# Altium PCB PCB1.PcbDoc (part 3 of 4) (continued)
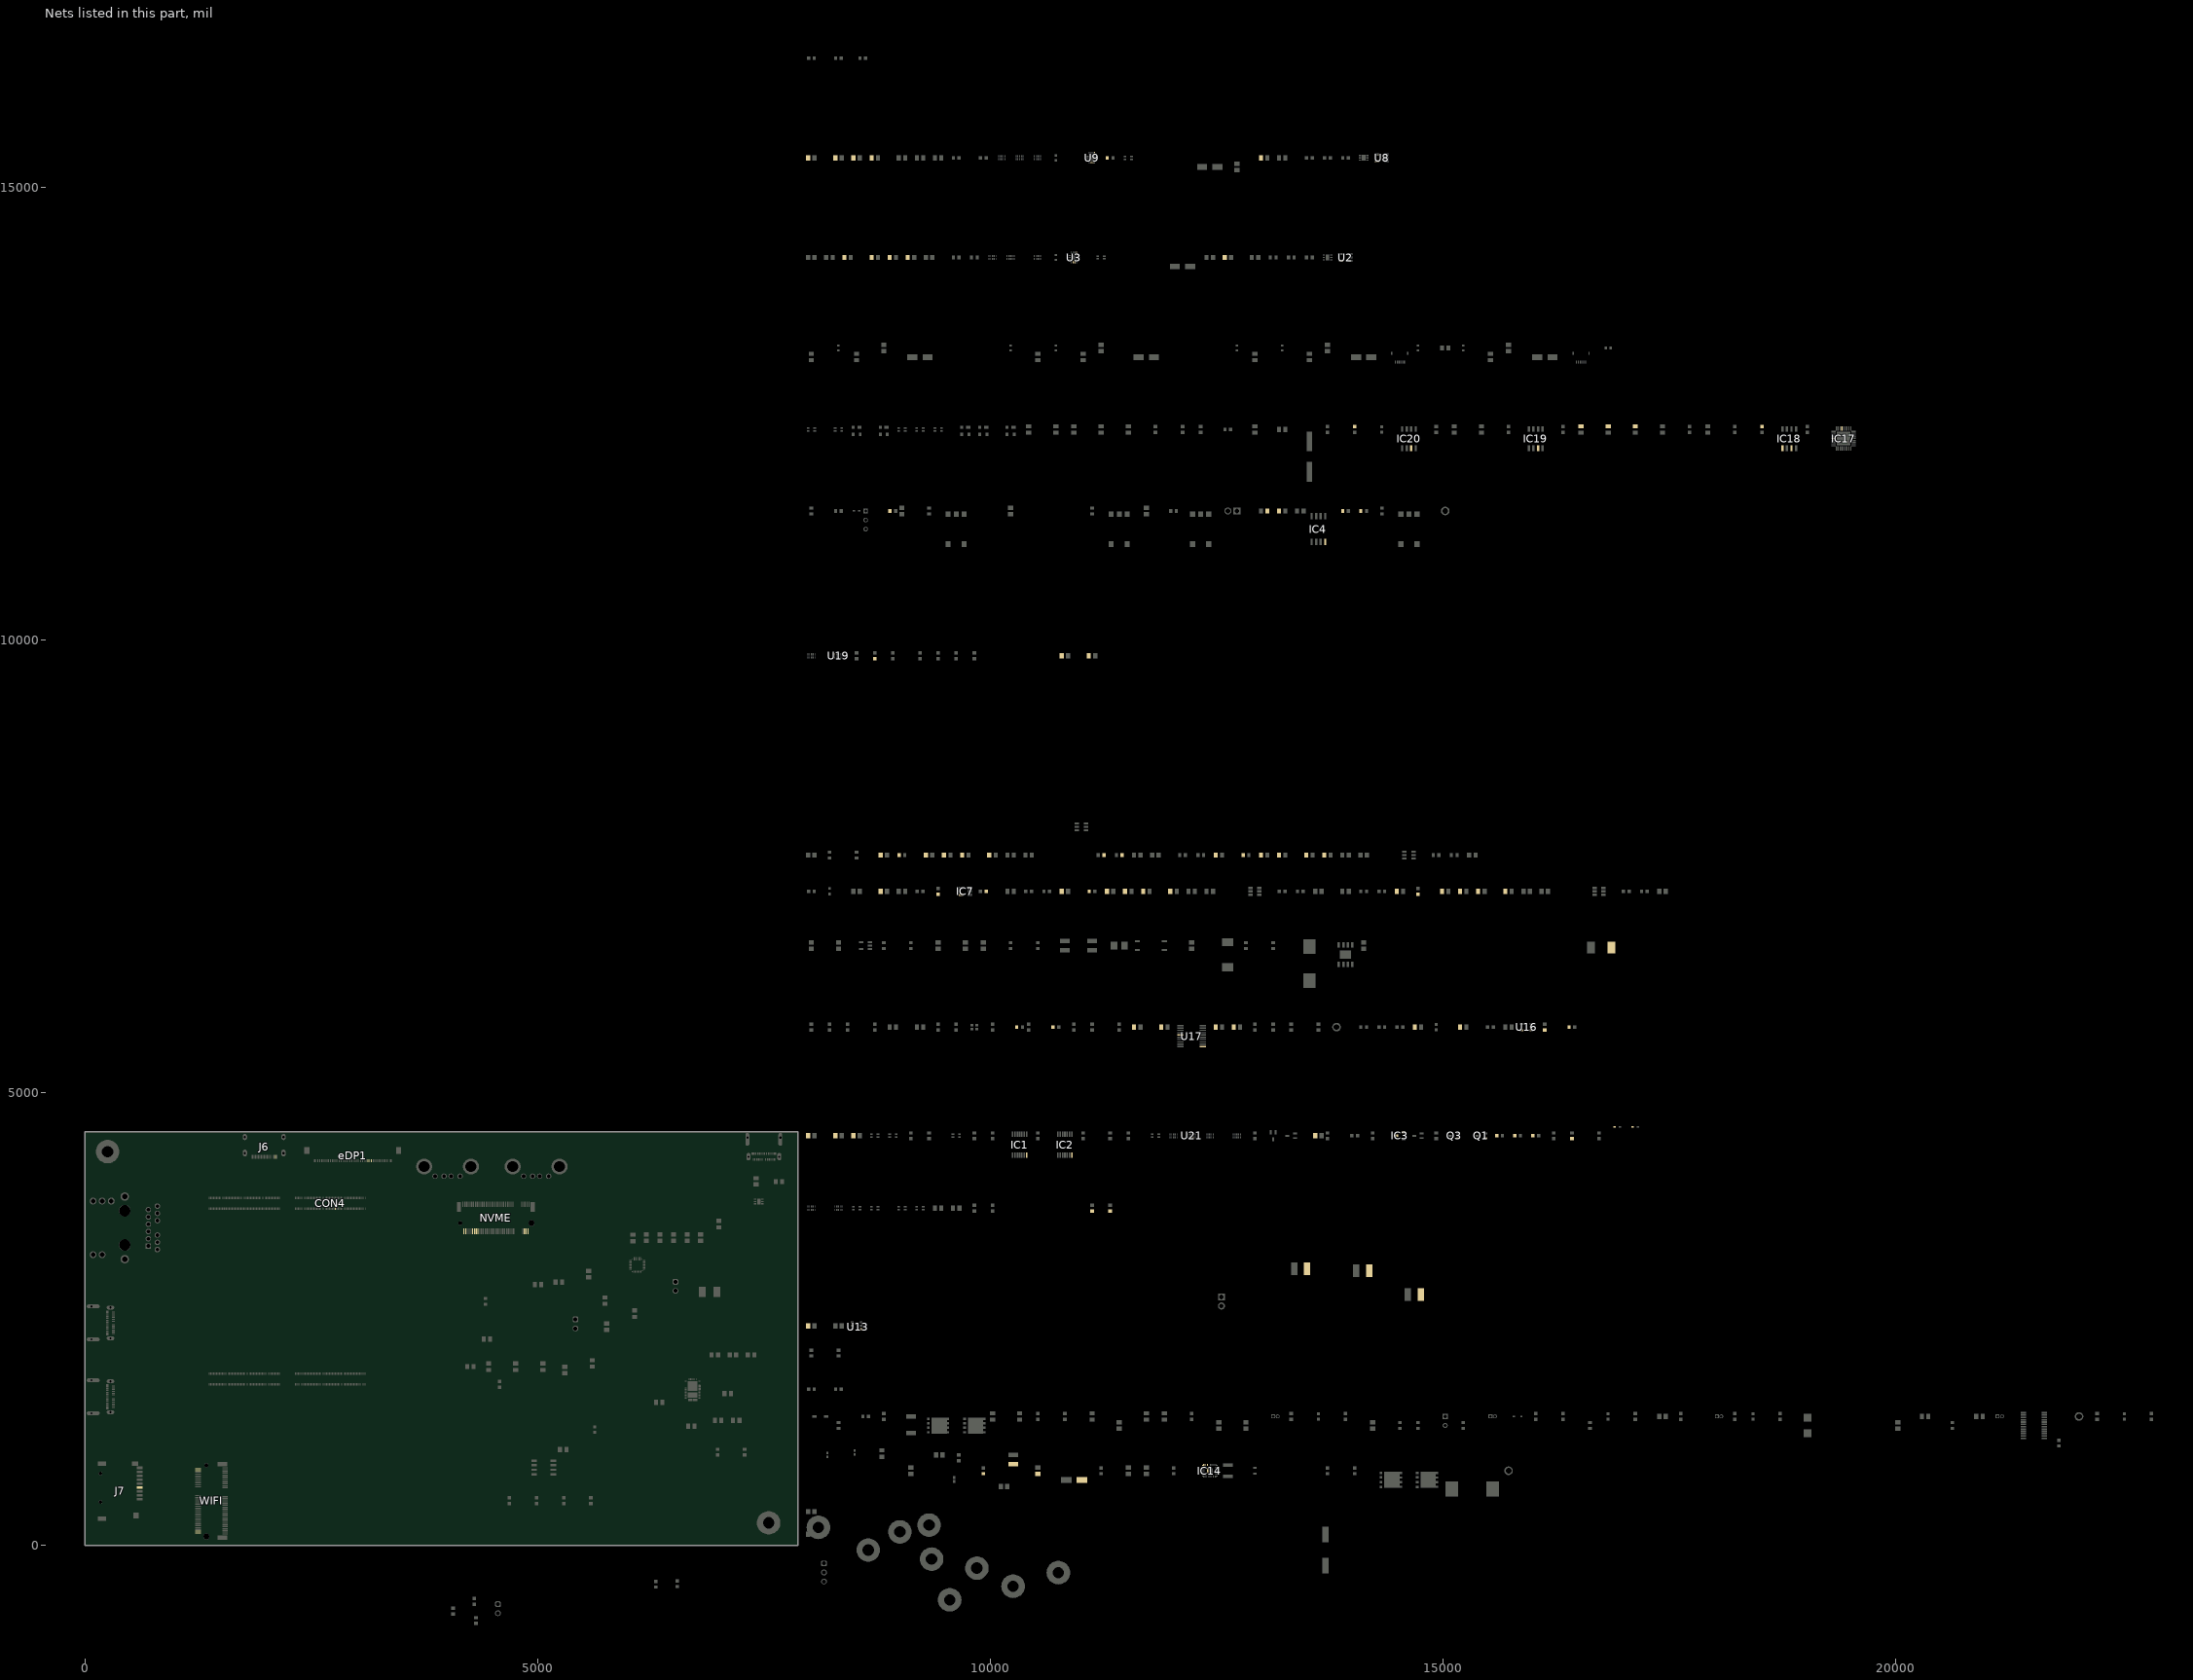
[diagram p10: the nets of this part, all layers, seen from the top]
## Part data (continued)
R145 R146: library part ERJ-3GEYJ1R0V, "1 Ohm 5% 1/10W  Res Thick Film 0603 -100ppm/ to", Case Code (Imperial)=0603, Case Code (Metric)=1608, Manufacturer=Panasonic, Max Operating Temperature=155°C, Max Power Dissipation=100mW, Min Operating Temperature=-55°C, Mouser Part Number=667-ERJ-3GEYJ1R0V, Package Quantity=1, Resistance Tolerance=5%, Resistor Type="Thick Film", Supplier Part Number=P1.0GCT-ND, Temperature Coefficient=600ppm/°C, Voltage Rating=75V, Voltage Rating (DC)=50V, Case/Package=0603, Category="Chip SMD Resistors", ComponentLink1Description=https://datasheet.ciiva.com/11821/0900766b80f806dd-11821429.pdf?src-supplier=Rs, ComponentLink1URL=https://datasheet.ciiva.com/11821/0900766b80f806dd-11821429.pdf?src-supplier=Rs, ComponentLink2Description=https://datasheet.ciiva.com/6138/1678796-6138719.pdf?src-supplier=Farnell, ComponentLink2URL=https://datasheet.ciiva.com/6138/1678796-6138719.pdf?src-supplier=Farnell, ComponentLink3Description=https://datasheet.ciiva.com/43460/1678796-43460648.pdf?src-supplier=Farnell, ComponentLink3URL=https://datasheet.ciiva.com/43460/1678796-43460648.pdf?src-supplier=Farnell, ComponentLink4Description=https://datasheet.ciiva.com/9117/aoa0000ce1-9117101.pdf?src-supplier=Avnet, ComponentLink4URL=https://datasheet.ciiva.com/9117/aoa0000ce1-9117101.pdf?src-supplier=Avnet, ComponentLink5Description=https://datasheet.ciiva.com/27055/1988567-27055708.pdf?src-supplier=Jameco, ComponentLink5URL=https://datasheet.ciiva.com/27055/1988567-27055708.pdf?src-supplier=Jameco, ComponentLink6Description=https://datasheet.ciiva.com/30244/4aoa0000ce1-30244602.pdf?src-supplier=Onlinecomponents.com, ComponentLink6URL=https://datasheet.ciiva.com/30244/4aoa0000ce1-30244602.pdf?src-supplier=Onlinecomponents.com, ComponentLink7Description=https://datasheet.ciiva.com/28547/1678796-28547208.pdf?src-supplier=Element14, ComponentLink7URL=https://datasheet.ciiva.com/28547/1678796-28547208.pdf?src-supplier=Element14, ComponentLink8Description=https://datasheet.ciiva.com/28691/1678796-28691949.pdf?src-supplier=Element14, ComponentLink8URL=https://datasheet.ciiva.com/28691/1678796-28691949.pdf?src-supplier=Element14, ComponentLink9Description=https://datasheet.ciiva.com/16761/70255313-16761183.pdf?src-supplier=Allied+Electronics, ComponentLink9URL=https://datasheet.ciiva.com/16761/70255313-16761183.pdf?src-supplier=Allied+Electronics, ComponentLink10Description=https://datasheet.ciiva.com/16784/70255313-16784679.pdf?src-supplier=Allied+Electronics, ComponentLink10URL=https://datasheet.ciiva.com/16784/70255313-16784679.pdf?src-supplier=Allied+Electronics, Construction=Rectangular, Contact Plating=Tin, Datasheet Link=http://docs-europe.electrocomponents.com/webdocs/13ba/0900766b813ba21b.pdf, Depth=0.8mm, Features="Automotive AEC-Q200", Height=0.55mm, Lead Free="Lead Free", Length=1.6mm, Manufacturer Part Number=ERJ-3GEYJ1R0V, Manufacturer_Name=Panasonic, Manufacturer_Part_Number=ERJ-3GEYJ1R0V, Military Standard=Not, Mounting Technology="Surface Mount", Mouser Price/Stock=https://www.mouser.co.uk/ProductDetail/Panasonic/ERJ-3GEYJ1R0V?qs=iBwFsHVUAOehrcsQVhVEKg%3D%3D, Number of Terminations=2, Packaging="Tape and Reel", Power Rating=100mW, Pricing="1=0.1, 10=0.033, 50=0.02, 100=0.0165, 500=0.01096, 1000=0.00939 (USD)", Radiation Hardening=No, Reach SVHC Compliant=No, RoHS=Yes, RoHS Compliant=Yes, Series=ERJ, Stock=374695, Supplier=Digikey, Technology="THICK FILM", Termination=SMD/SMT, Tolerance=5%, Width=0.8mm
R149: library part RT0603BRD0710K4L, "10.4kOhm 0.1% High Precision-High Stability Chip Resistor Thin Film 0603  Paper T/R", Case/Package=0603, Manufacturer=Yageo, Max Operating Temperature=155°C, Max Power Dissipation=100mW, Min Operating Temperature=-55°C, Package=None, Supplier Part Number=13-RT0603BRD0710K4LCT-ND, Temperature Coefficient=25ppm/°C, Tolerance=0.1%, Availability=Unavailable, Category="Chip SMD Resistors", ComponentLink1Description=https://datasheet.octopart.com/RT0603BRD0710K4L-Yageo-datasheet-169971040.pdf?src-supplier=Future+Electronics, ComponentLink1URL=https://datasheet.octopart.com/RT0603BRD0710K4L-Yageo-datasheet-169971040.pdf?src-supplier=Future+Electronics, ComponentLink2Description=http://www.yageo.com/documents/recent/PYu-RT_1-to-0.01_RoHS_L_9.pdf?src-supplier=Digikey, ComponentLink2URL=http://www.yageo.com/documents/recent/PYu-RT_1-to-0.01_RoHS_L_9.pdf?src-supplier=Digikey, Manufacturer Part Number=RT0603BRD0710K4L, MP=RT0603BRD0710K4L, Number of Terminations=2, Packaging="Tape and Reel", Price=None, Pricing="1=0.14, 10=0.108, 50=0.0868, 100=0.0775, 500=0.06018, 1000=0.05202 (USD)", RoHS=Yes, RoHS Compliant=Yes, Series=RT, Stock=17618, Supplier=Digikey
R150: library part CRCW040250K0FKED, "50 kΩ  Tolerance: 1.0%  Power: 63 mW  Package:0402", Manufacturer_Name=Vishay, Mouser Part Number=71-CRCW0402-50K-E3, Datasheet Link=http://www.vishay.com/docs/20035/dcrcwe3.pdf, Height=0.4mm, Manufacturer_Part_Number=CRCW040250K0FKED, Mouser Price/Stock=https://www.mouser.co.uk/ProductDetail/Vishay-Dale/CRCW040250K0FKED?qs=ZTJSYgkXUA0CX%252BZe0ESa5A%3D%3D
R151: library part CRCW040231K6FKED, "31.6 kΩ  Tolerance: 1.0%  Power: 63 mW", Manufacturer_Name=Vishay, Mouser Part Number=71-CRCW0402-31.6K-E3, Datasheet Link=http://www.vishay.com/docs/20035/dcrcwe3.pdf, Height=0.4mm, Manufacturer_Part_Number=CRCW040231K6FKED, Mouser Price/Stock=https://www.mouser.co.uk/ProductDetail/Vishay-Dale/CRCW040231K6FKED?qs=TNtMkGKFKOwWly94NvOrvQ%3D%3D
R152: library part CRCW040254K9FKED, "54.9 kΩ  Tolerance: 1.0%  Power: 63 mW  PAckage:0402", Manufacturer_Name=Vishay, Mouser Part Number=71-CRCW0402-54.9K-E3, Arrow Part Number=CRCW040254K9FKED, Arrow Price/Stock=https://www.arrow.com/en/products/crcw040254k9fked/vishay, Datasheet Link=http://www.vishay.com/docs/20035/dcrcwe3.pdf, Height=0.4mm, Manufacturer_Part_Number=CRCW040254K9FKED, Mouser Price/Stock=https://www.mouser.co.uk/ProductDetail/Vishay-Dale/CRCW040254K9FKED?qs=hAuyw6LW%252BLi3%2FhCT%2FKiiLw%3D%3D
R153: library part ERJ-3EKF6653V, "665 kOhm, ± 1%, 100 mW, 0603 [1608 Metric], Thick Film, Precision", Case Code (Imperial)=0603, Case Code (Metric)=1608, Manufacturer=Panasonic, Max Operating Temperature=155°C, Max Power Dissipation=100mW, Min Operating Temperature=-55°C, Package Quantity=5000, Resistance Tolerance=1%, Resistor Type="Thick Film", Supplier Part Number=P665KHCT-ND, Temperature Coefficient=100ppm/°C, Voltage Rating=75V, Voltage Rating (DC)=50V, Case/Package=0603, Category="Chip SMD Resistors", ComponentLink1Description=https://datasheet.ciiva.com/9180/aoa0000ce2-9180543.pdf?src-supplier=Avnet, ComponentLink1URL=https://datasheet.ciiva.com/9180/aoa0000ce2-9180543.pdf?src-supplier=Avnet, ComponentLink2Description=https://datasheet.ciiva.com/7754/1678782-7754015.pdf?src-supplier=Element14, ComponentLink2URL=https://datasheet.ciiva.com/7754/1678782-7754015.pdf?src-supplier=Element14, ComponentLink3Description=https://datasheet.ciiva.com/22668/1678782-22668429.pdf?src-supplier=Element14, ComponentLink3URL=https://datasheet.ciiva.com/22668/1678782-22668429.pdf?src-supplier=Element14, ComponentLink4Description=https://datasheet.ciiva.com/46420/1678782-46420005.pdf?src-supplier=Element14, ComponentLink4URL=https://datasheet.ciiva.com/46420/1678782-46420005.pdf?src-supplier=Element14, Construction=Rectangular, Contact Plating=Tin, Depth=0.8mm, Features="Automotive AEC-Q200", Height=0.022inch, Length=1.6mm, Manufacturer Part Number=ERJ-3EKF6653V, Mfr_Name=Panasonic, Military Standard=Not, Mounting Technology="Surface Mount", Number of Terminations=2, Packaging="Tape and Reel", Power Rating=100mW, Pricing="1=0.1, 10=0.035, 100=0.0177, 1000=0.01014, 2500=0.00847 (USD)", Reach SVHC Compliant=Yes, RoHS=Yes, RoHS Compliant=Yes, Series=ERJ, Stock=26342, Supplier=Digikey, Termination=SMD/SMT, Tolerance=1%, Width=0.8mm
R154: library part ERJ-3EKF51R1V, "51.1 Ohm 1% 0.1W(1/10W) ±100ppm/C Pad SMD T/R Automotive AEC-Q200", Case Code (Imperial)=0603, Case Code (Metric)=1608, Manufacturer=Panasonic, Max Operating Temperature=155°C, Max Power Dissipation=100mW, Min Operating Temperature=-55°C, Mouser Part Number=667-ERJ-3EKF51R1V, Package Quantity=1, Resistance Tolerance=1%, Resistor Type="Thick Film", Supplier Part Number=P51.1HCT-ND, Temperature Coefficient=100ppm/°C, Voltage Rating=75V, Arrow Part Number=ERJ-3EKF51R1V, Arrow Price/Stock=https://www.arrow.com/en/products/erj-3ekf51r1v/panasonic?region=europe, Case/Package=0603, Category="Chip SMD Resistors", ComponentLink1Description=https://datasheet.ciiva.com/5870/426256-5870807.pdf?src-supplier=Farnell, ComponentLink1URL=https://datasheet.ciiva.com/5870/426256-5870807.pdf?src-supplier=Farnell, ComponentLink2Description=https://datasheet.ciiva.com/9117/aoa0000ce2-9117163.pdf?src-supplier=Avnet, ComponentLink2URL=https://datasheet.ciiva.com/9117/aoa0000ce2-9117163.pdf?src-supplier=Avnet, ComponentLink3Description=https://datasheet.ciiva.com/9188/aoa0000ce2-9188966.pdf?src-supplier=Avnet, ComponentLink3URL=https://datasheet.ciiva.com/9188/aoa0000ce2-9188966.pdf?src-supplier=Avnet, ComponentLink4Description=https://datasheet.ciiva.com/30066/aoa0000ce2-30066071.pdf?src-supplier=Onlinecomponents.com, ComponentLink4URL=https://datasheet.ciiva.com/30066/aoa0000ce2-30066071.pdf?src-supplier=Onlinecomponents.com, ComponentLink5Description=https://datasheet.ciiva.com/16440/aoa0000ce2-16440167.pdf?src-supplier=Future+Electronics, ComponentLink5URL=https://datasheet.ciiva.com/16440/aoa0000ce2-16440167.pdf?src-supplier=Future+Electronics, ComponentLink6Description=https://datasheet.ciiva.com/16782/70260748-16782813.pdf?src-supplier=Allied+Electronics, ComponentLink6URL=https://datasheet.ciiva.com/16782/70260748-16782813.pdf?src-supplier=Allied+Electronics, ComponentLink7Description=https://datasheet.ciiva.com/46377/426256-46377438.pdf?src-supplier=Element14, ComponentLink7URL=https://datasheet.ciiva.com/46377/426256-46377438.pdf?src-supplier=Element14, Construction=Rectangular, Contact Plating=Tin, Datasheet Link=http://industrial.panasonic.com/cdbs/www-data/pdf/RDA0000/AOA0000C86.pdf, Depth=0.8mm, Features="Automotive AEC-Q200", Height=0.55mm, Length=1.6mm, Manufacturer Part Number=ERJ-3EKF51R1V, Manufacturer_Name=Panasonic, Manufacturer_Part_Number=ERJ-3EKF51R1V, Military Standard=Not, Mounting Technology="Surface Mount", Mouser Price/Stock=https://www.mouser.com/Search/Refine.aspx?Keyword=667-ERJ-3EKF51R1V, Number of Terminations=2, Packaging="Tape and Reel", Power Rating=100mW, Pricing="1=0.1, 10=0.035, 100=0.0177, 1000=0.01014, 2500=0.00888 (USD)", Radiation Hardening=No, Reach SVHC Compliant=No, RoHS=Yes, RoHS Compliant=Yes, Series=ERJ, Stock=86452, Supplier=Digikey, Technology="THICK FILM", Termination=SMD/SMT, Tolerance=1%, Width=0.8mm
R155: library part ERJ-3EKF1303V, "130K Ohm 1% 0.1W Res Thick Film 0603 ±100ppm/°C Molded SMD Punched Carrier T/R", Case Code (Imperial)=0603, Case Code (Metric)=1608, Manufacturer=Panasonic, Max Operating Temperature=155°C, Max Power Dissipation=100mW, Min Operating Temperature=-55°C, Package Quantity=1, Resistance Tolerance=1%, Resistor Type="Thick Film", Supplier Part Number=P130KHCT-ND, Temperature Coefficient=100ppm/°C, Voltage Rating=75V, Voltage Rating (DC)=50V, Case/Package=0603, Category="Chip SMD Resistors", ComponentLink1Description=https://datasheet.ciiva.com/5915/426256-5915291.pdf?src-supplier=Farnell, ComponentLink1URL=https://datasheet.ciiva.com/5915/426256-5915291.pdf?src-supplier=Farnell, ComponentLink2Description=https://datasheet.ciiva.com/5915/426256-5915292.pdf?src-supplier=Farnell, ComponentLink2URL=https://datasheet.ciiva.com/5915/426256-5915292.pdf?src-supplier=Farnell, ComponentLink3Description=https://datasheet.ciiva.com/28515/1678782-28515237.pdf?src-supplier=Element14, ComponentLink3URL=https://datasheet.ciiva.com/28515/1678782-28515237.pdf?src-supplier=Element14, ComponentLink4Description=https://datasheet.ciiva.com/28665/1678782-28665400.pdf?src-supplier=Element14, ComponentLink4URL=https://datasheet.ciiva.com/28665/1678782-28665400.pdf?src-supplier=Element14, ComponentLink5Description=https://datasheet.ciiva.com/24070/aoa0000ce2-24070047.pdf?src-supplier=Mouser, ComponentLink5URL=https://datasheet.ciiva.com/24070/aoa0000ce2-24070047.pdf?src-supplier=Mouser, ComponentLink6Description=https://datasheet.ciiva.com/16788/70260748-16788063.pdf?src-supplier=Allied+Electronics, ComponentLink6URL=https://datasheet.ciiva.com/16788/70260748-16788063.pdf?src-supplier=Allied+Electronics, ComponentLink7Description=https://datasheet.ciiva.com/7795/426256-7795210.pdf?src-supplier=Element14, ComponentLink7URL=https://datasheet.ciiva.com/7795/426256-7795210.pdf?src-supplier=Element14, Construction=Rectangular, Contact Plating=Tin, Depth=0.8mm, Features="Automotive AEC-Q200", Height=0.45mm, Lead Free="Lead Free", Length=1.6mm, Manufacturer Part Number=ERJ-3EKF1303V, Mfr_Name=Panasonic, Military Standard=Not, Mounting Technology="Surface Mount", Number of Terminations=2, Packaging="Tape and Reel", Power Rating=100mW, Pricing="1=0.1, 10=0.035, 100=0.0177, 1000=0.01014, 2500=0.00847 (USD)", Reach SVHC Compliant=No, RoHS=Yes, RoHS Compliant=Yes, Series=ERJ, Stock=107191, Supplier=Digikey, Technology="THICK FILM", Termination=SMD/SMT, Tolerance=1%, Width=0.8mm
R156: library part ERJ-3EKF1022V, "10.2 kOhm, ± 1%, 100 mW, 0603 [1608 Metric], Thick Film, Precision", Case Code (Imperial)=0603, Case Code (Metric)=1608, Manufacturer=Panasonic, Max Operating Temperature=155°C, Max Power Dissipation=100mW, Min Operating Temperature=-55°C, Mouser Part Number=667-ERJ-3EKF1022V, Package Quantity=1, Resistance Tolerance=1%, Resistor Type="Thick Film", Supplier Part Number=P10.2KHCT-ND, Temperature Coefficient=100ppm/°C, Voltage Rating=75V, Voltage Rating (DC)=50V, Arrow Part Number=ERJ-3EKF1022V, Arrow Price/Stock=https://www.arrow.com/en/products/erj-3ekf1022v/panasonic, Case/Package=0603, Category="Chip SMD Resistors", ComponentLink1Description=https://datasheet.ciiva.com/34303/1987492-34303567.pdf?src-supplier=Jameco, ComponentLink1URL=https://datasheet.ciiva.com/34303/1987492-34303567.pdf?src-supplier=Jameco, ComponentLink2Description=https://datasheet.ciiva.com/30119/aoa0000ce2-30119176.pdf?src-supplier=Onlinecomponents.com, ComponentLink2URL=https://datasheet.ciiva.com/30119/aoa0000ce2-30119176.pdf?src-supplier=Onlinecomponents.com, ComponentLink3Description=https://datasheet.ciiva.com/43460/426256-43460540.pdf?src-supplier=Farnell, ComponentLink3URL=https://datasheet.ciiva.com/43460/426256-43460540.pdf?src-supplier=Farnell, ComponentLink4Description=https://datasheet.ciiva.com/9194/aoa0000ce2-9194057.pdf?src-supplier=Avnet, ComponentLink4URL=https://datasheet.ciiva.com/9194/aoa0000ce2-9194057.pdf?src-supplier=Avnet, ComponentLink5Description=https://datasheet.ciiva.com/16777/70260748-16777515.pdf?src-supplier=Allied+Electronics, ComponentLink5URL=https://datasheet.ciiva.com/16777/70260748-16777515.pdf?src-supplier=Allied+Electronics, ComponentLink6Description=https://datasheet.ciiva.com/24069/aoa0000ce2-24069678.pdf?src-supplier=Mouser, ComponentLink6URL=https://datasheet.ciiva.com/24069/aoa0000ce2-24069678.pdf?src-supplier=Mouser, ComponentLink7Description=https://datasheet.ciiva.com/28531/1678782-28531526.pdf?src-supplier=Element14, ComponentLink7URL=https://datasheet.ciiva.com/28531/1678782-28531526.pdf?src-supplier=Element14, ComponentLink8Description=https://datasheet.ciiva.com/28658/1678782-28658333.pdf?src-supplier=Element14, ComponentLink8URL=https://datasheet.ciiva.com/28658/1678782-28658333.pdf?src-supplier=Element14, ComponentLink9Description=https://datasheet.ciiva.com/46377/426256-46377339.pdf?src-supplier=Element14, ComponentLink9URL=https://datasheet.ciiva.com/46377/426256-46377339.pdf?src-supplier=Element14, Construction=Rectangular, Contact Plating=Tin, Datasheet Link=http://industrial.panasonic.com/cdbs/www-data/pdf/RDA0000/AOA0000C86.pdf, Depth=0.8mm, Features="Automotive AEC-Q200", Height=0.55mm, Lead Free="Lead Free", Length=1.6mm, Manufacturer Part Number=ERJ-3EKF1022V, Manufacturer_Name=Panasonic, Manufacturer_Part_Number=ERJ-3EKF1022V, Military Standard=Not, Mounting Technology="Surface Mount", Mouser Price/Stock=https://www.mouser.co.uk/ProductDetail/Panasonic/ERJ-3EKF1022V?qs=LRVwtJ3DVID0bgL5Wde26A%3D%3D, Number of Terminations=2, Packaging="Tape and Reel", Power Rating=100mW, Pricing="1=0.1, 10=0.035, 100=0.0177, 1000=0.01014, 2500=0.00847 (USD)", Radiation Hardening=No, Reach SVHC Compliant=No, RoHS=Yes, RoHS Compliant=Yes, Series=ERJ, Stock=89233, Supplier=Digikey, Technology="THICK FILM", Termination=SMD/SMT, Tolerance=1%, Width=0.8mm
R157: library part ERJ-3EKF3742V, "37.4K Ohm 1% 1/10W ±100ppm/°C Molded SMD Punched Carrier T/R", Case Code (Imperial)=0603, Case Code (Metric)=1608, Manufacturer=Panasonic, Max Operating Temperature=155°C, Min Operating Temperature=-55°C, Power Rating=100mW, Resistance Tolerance=1%, Resistor Type="Thick Film", Supplier Part Number=P37.4KHCT-ND, Temperature Coefficient=100ppm/°C, Voltage Rating=75V, Case/Package=0603, Category="Chip SMD Resistors", ComponentLink1Description=https://datasheet.ciiva.com/22668/1678782-22668168.pdf?src-supplier=Element14, ComponentLink1URL=https://datasheet.ciiva.com/22668/1678782-22668168.pdf?src-supplier=Element14, ComponentLink2Description=https://datasheet.ciiva.com/30172/aoa0000ce2-30172522.pdf?src-supplier=Onlinecomponents.com, ComponentLink2URL=https://datasheet.ciiva.com/30172/aoa0000ce2-30172522.pdf?src-supplier=Onlinecomponents.com, ComponentLink3Description=https://datasheet.ciiva.com/46419/1678782-46419947.pdf?src-supplier=Element14, ComponentLink3URL=https://datasheet.ciiva.com/46419/1678782-46419947.pdf?src-supplier=Element14, ComponentLink4Description=https://datasheet.ciiva.com/7870/aoa0000ce2-7870825.pdf?src-supplier=Element14, ComponentLink4URL=https://datasheet.ciiva.com/7870/aoa0000ce2-7870825.pdf?src-supplier=Element14, Lead Free="Contains Lead", Manufacturer Part Number=ERJ-3EKF3742V, Mfr_Name=Panasonic, Mounting Technology="Surface Mount", Packaging="Tape and Reel", Pricing="1=0.1, 10=0.035, 100=0.0177, 1000=0.01014, 2500=0.00847 (USD)", Reach SVHC Compliant=Unknown, RoHS=Yes, RoHS Compliant=Yes, Stock=79144, Supplier=Digikey, Tolerance=1%
R158: library part ERJ-3EKF1961V, "1.96K Ohm 1% 1/10W ±100ppm/°C Molded SMD Punched Carrier T/R", Case Code (Imperial)=0603, Case Code (Metric)=1608, Manufacturer=Panasonic, Max Operating Temperature=155°C, Max Power Dissipation=100mW, Min Operating Temperature=-55°C, Package Quantity=1, Ratings=AEC-Q200, Resistance Tolerance=1%, Resistor Type="Thick Film", Supplier Part Number=P1.96KHCT-ND, Temperature Coefficient=100ppm/°C, Voltage Rating=75V, Voltage Rating (DC)=50V, Case/Package=0603, Category="Chip SMD Resistors", ComponentLink1Description=https://datasheet.ciiva.com/6201/426256-6201465.pdf?src-supplier=Farnell, ComponentLink1URL=https://datasheet.ciiva.com/6201/426256-6201465.pdf?src-supplier=Farnell, ComponentLink2Description=https://datasheet.ciiva.com/9197/aoa0000ce2-9197519.pdf?src-supplier=Avnet, ComponentLink2URL=https://datasheet.ciiva.com/9197/aoa0000ce2-9197519.pdf?src-supplier=Avnet, ComponentLink3Description=https://datasheet.ciiva.com/16775/70260748-16775147.pdf?src-supplier=Allied+Electronics, ComponentLink3URL=https://datasheet.ciiva.com/16775/70260748-16775147.pdf?src-supplier=Allied+Electronics, ComponentLink4Description=https://datasheet.ciiva.com/28610/1678782-28610985.pdf?src-supplier=Element14, ComponentLink4URL=https://datasheet.ciiva.com/28610/1678782-28610985.pdf?src-supplier=Element14, ComponentLink5Description=https://datasheet.ciiva.com/28658/1678782-28658365.pdf?src-supplier=Element14, ComponentLink5URL=https://datasheet.ciiva.com/28658/1678782-28658365.pdf?src-supplier=Element14, ComponentLink6Description=https://datasheet.ciiva.com/46377/426256-46377743.pdf?src-supplier=Element14, ComponentLink6URL=https://datasheet.ciiva.com/46377/426256-46377743.pdf?src-supplier=Element14, ComponentLink7Description=https://datasheet.ciiva.com/46389/426256-46389227.pdf?src-supplier=Element14, ComponentLink7URL=https://datasheet.ciiva.com/46389/426256-46389227.pdf?src-supplier=Element14, ComponentLink8Description=https://datasheet.ciiva.com/24162/aoa0000ce2-24162888.pdf?src-supplier=Mouser, ComponentLink8URL=https://datasheet.ciiva.com/24162/aoa0000ce2-24162888.pdf?src-supplier=Mouser, Construction=Rectangular, Contact Plating=Tin, Depth=0.8mm, Features="Automotive AEC-Q200", Height=0.45mm, Lead Free="Lead Free", Length=1.6mm, Manufacturer Part Number=ERJ-3EKF1961V, Mfr_Name=Panasonic, Military Standard=Not, Mounting Technology="Surface Mount", Number of Terminations=2, Packaging="Tape and Reel", Power Rating=100mW, Pricing="1=0.1, 10=0.035, 100=0.0177, 1000=0.01014, 2500=0.00847 (USD)", Reach SVHC Compliant=No, RoHS=Yes, RoHS Compliant=Yes, Series=ERJ, Stock=68295, Supplier=Digikey, Technology="THICK FILM", Termination=SMD/SMT, Tolerance=1%, Weight=7.1E-05oz, Width=0.8mm
R168: library part ERJ-3EKF1241V, "1.24K Ohm 1% 1/10W  0603", Case Code (Imperial)=0603, Case Code (Metric)=1608, Manufacturer=Panasonic, Max Operating Temperature=155°C, Max Power Dissipation=100mW, Min Operating Temperature=-55°C, Mouser Part Number=667-ERJ-3EKF1241V, Package Quantity=5000, Resistance Tolerance=1%, Resistor Type="Thick Film", Supplier Part Number=P1.24KHCT-ND, Temperature Coefficient=100ppm/°C, Voltage Rating=75V, Voltage Rating (DC)=50V, Case/Package=0603, Category="Chip SMD Resistors", ComponentLink1Description=https://datasheet.ciiva.com/6201/426256-6201385.pdf?src-supplier=Farnell, ComponentLink1URL=https://datasheet.ciiva.com/6201/426256-6201385.pdf?src-supplier=Farnell, ComponentLink2Description=https://datasheet.ciiva.com/43460/426256-43460475.pdf?src-supplier=Farnell, ComponentLink2URL=https://datasheet.ciiva.com/43460/426256-43460475.pdf?src-supplier=Farnell, ComponentLink3Description=https://datasheet.ciiva.com/9198/aoa0000ce2-9198405.pdf?src-supplier=Avnet, ComponentLink3URL=https://datasheet.ciiva.com/9198/aoa0000ce2-9198405.pdf?src-supplier=Avnet, ComponentLink4Description=https://datasheet.ciiva.com/46377/426256-46377543.pdf?src-supplier=Element14, ComponentLink4URL=https://datasheet.ciiva.com/46377/426256-46377543.pdf?src-supplier=Element14, ComponentLink5Description=https://datasheet.ciiva.com/46389/426256-46389400.pdf?src-supplier=Element14, ComponentLink5URL=https://datasheet.ciiva.com/46389/426256-46389400.pdf?src-supplier=Element14, ComponentLink6Description=https://datasheet.ciiva.com/27055/1987599-27055669.pdf?src-supplier=Jameco, ComponentLink6URL=https://datasheet.ciiva.com/27055/1987599-27055669.pdf?src-supplier=Jameco, ComponentLink7Description=https://datasheet.ciiva.com/30129/aoa0000ce2-30129916.pdf?src-supplier=Onlinecomponents.com, ComponentLink7URL=https://datasheet.ciiva.com/30129/aoa0000ce2-30129916.pdf?src-supplier=Onlinecomponents.com, ComponentLink8Description=https://datasheet.ciiva.com/28536/1678782-28536153.pdf?src-supplier=Element14, ComponentLink8URL=https://datasheet.ciiva.com/28536/1678782-28536153.pdf?src-supplier=Element14, ComponentLink9Description=https://datasheet.ciiva.com/28672/1678782-28672318.pdf?src-supplier=Element14, ComponentLink9URL=https://datasheet.ciiva.com/28672/1678782-28672318.pdf?src-supplier=Element14, ComponentLink10Description=https://datasheet.ciiva.com/16787/70260748-16787720.pdf?src-supplier=Allied+Electronics, ComponentLink10URL=https://datasheet.ciiva.com/16787/70260748-16787720.pdf?src-supplier=Allied+Electronics, Construction=Rectangular, Contact Plating=Tin, Datasheet Link=http://industrial.panasonic.com/cdbs/www-data/pdf/RDA0000/AOA0000C86.pdf, Depth=0.8mm, Features="Automotive AEC-Q200", Height=0.55mm, Lead Free="Lead Free", Length=1.6mm, Manufacturer Part Number=ERJ-3EKF1241V, Manufacturer_Name=Panasonic, Manufacturer_Part_Number=ERJ-3EKF1241V, Military Standard=Not, Mounting Technology="Surface Mount", Mouser Price/Stock=https://www.mouser.co.uk/ProductDetail/Panasonic/ERJ-3EKF1241V?qs=H7k1u0Mp9JSxP0pMBm%2FrfQ%3D%3D, Number of Terminations=2, Packaging="Tape and Reel", Power Rating=100mW, Pricing="1=0.1, 10=0.035, 100=0.0177, 1000=0.01014, 2500=0.00888 (USD)", Radiation Hardening=No, Reach SVHC Compliant=Unknown, RoHS=Yes, RoHS Compliant=Yes, Series=ERJ, Stock=87035, Supplier=Digikey, Termination=SMD/SMT, Tolerance=1%, Width=0.8mm
RT1: "NTC Thermistor 10k Bead", Manufacturer_Name=Semitec, Mouser Part Number=954-103AT-2, Datasheet Link=https://www.semitec-global.com/uploads/2022/01/P12-13-AT-Thermistor.pdf, Height=9.5mm, Manufacturer_Part_Number=103AT-2, Mouser Price/Stock=https://www.mouser.co.uk/ProductDetail/Semitec/103AT-2?qs=wgO0AD0o1vvcDzsKguD%252Bew%3D%3D
TP1 TP2 TP3 TP4: library part 5006, "Test Point Compact THM PC .350 L .125 OD Heat Resistant Nylon 46 Black", Package="NON STANDARD-1 Keystone", Check_prices=https://www.snapeda.com/parts/5006/Keystone/view-part/?ref=eda, MF="Keystone Electronics Corp.", MP=5006, SnapEDA_Link=https://www.snapeda.com/parts/5006/Keystone/view-part/?ref=snap
U1 U7 U24: "ESD Suppressors / TVS Diodes 22V flat-clamp surge protection device 6-WSON -40 to 125", Breakdown Voltage=24.6V, Clamping Voltage=28V, Manufacturer="Texas Instruments", Max Operating Temperature=125°C, Min Operating Temperature=-40°C, Package="WSON-6 Texas Instruments", Peak Pulse Current=40A, Reverse Standoff Voltage=22V, Supplier Part Number=296-52187-1-ND, Category="ESD and Circuit Protection ICs", Check_prices=https://www.snapeda.com/parts/TVS2200DRVR/Texas+Instruments/view-part/?ref=eda, ComponentLink1Description=http://www.ti.com/general/docs/suppproductinfo.tsp?distId=10&amp;gotoUrl=http%3A%2F%2Fwww.ti.com%2Flit%2Fgpn%2Ftvs2200&src-supplier=Digikey, ComponentLink1URL=http://www.ti.com/general/docs/suppproductinfo.tsp?distId=10&amp;gotoUrl=http%3A%2F%2Fwww.ti.com%2Flit%2Fgpn%2Ftvs2200&src-supplier=Digikey, ComponentLink2Description=http://www.ti.com/lit/ds/symlink/tvs2200.pdf?src-supplier=Digikey, ComponentLink2URL=http://www.ti.com/lit/ds/symlink/tvs2200.pdf?src-supplier=Digikey, Direction=Unidirectional, Height=800um, Length=2mm, Manufacturer Part Number=TVS2200DRVR, MF="Texas Instruments", Mounting Technology="Surface Mount", MP=TVS2200DRVR, Number of Channels=1, Number of Circuits=1, Packaging="Cut Tape", Pins=6, Pricing="1=0.54, 10=0.373, 100=0.254, 500=0.199, 1000=0.181 (USD)", RoHS=Yes, RoHS Compliant=Yes, Series=-, SnapEDA_Link=https://www.snapeda.com/parts/TVS2200DRVR/Texas+Instruments/view-part/?ref=snap, Stock=5934, Supplier=Digikey, Thickness=750um, Width=2mm
U2 U8: "2.4V~5.5V 80mΩ Active High 1 High-side switch SOT-23-5 Power Distribution Switches ROHS", Manufacturer_Name=Silergy, Datasheet Link=https://datasheet.lcsc.com/szlcsc/Silergy-Corp-SY6280AAC_C55136.pdf, Height=1.4mm, Manufacturer_Part_Number=SY6280AAC
U3 U9: "USB Controller USB 3.1 USB Interface 14-MLP (2.5x2.5)", Manufacturer_Name=onsemi, Mouser Part Number=512-FUSB302BMPX, Arrow Part Number=FUSB302BMPX, Arrow Price/Stock=https://www.arrow.com/en/products/fusb302bmpx/on-semiconductor?utm_currency=USD&region=nac, Datasheet Link=https://www.onsemi.com/pub/Collateral/FUSB302B-D.PDF, Height=0.8mm, Manufacturer_Part_Number=FUSB302BMPX, Mouser Price/Stock=https://www.mouser.co.uk/ProductDetail/onsemi-Fairchild/FUSB302BMPX?qs=8ziscO3x5y1SHqdwooDK6g%3D%3D
U4 U5 U6 U10 U11 U12 U14 U15 U18 U19 U20 U21 U22 U23: "TVS DIODE 3.6V 8.8V 10USON / 4-Channel ESD Protection Diode for USB Type-C and HDMI 2.0", Breakdown Voltage=6.4V, Manufacturer="Texas Instruments", Max Operating Temperature=125°C, Min Breakdown Voltage=5.5V, Min Operating Temperature=-40°C, Operating Supply Voltage=3.6V, Peak Pulse Current=5A, Peak Pulse Power=17W, Power Line Protection=No, Supplier Part Number=296-43875-1-ND, Category="Integrated Circuits (ICs)", ComponentLink1Description=http://www.ti.com/lit/ds/symlink/tpd4e02b04.pdf?src-supplier=Digikey, ComponentLink1URL=http://www.ti.com/lit/ds/symlink/tpd4e02b04.pdf?src-supplier=Digikey, ComponentLink2Description=http://www.ti.com/lit/ds/symlink/tpd4e02b04.pdf?src-supplier=Farnell, ComponentLink2URL=http://www.ti.com/lit/ds/symlink/tpd4e02b04.pdf?src-supplier=Farnell, ComponentLink3Description=http://www.ti.com/lit/ds/symlink/tpd4e02b04.pdf?src-supplier=Newark, ComponentLink3URL=http://www.ti.com/lit/ds/symlink/tpd4e02b04.pdf?src-supplier=Newark, ComponentLink4Description=http://www.ti.com/general/docs/lit/getliterature.tsp?genericPartNumber=TPD4E02B04&amp;&amp;fileType=pdf&src-supplier=Element14, ComponentLink4URL=http://www.ti.com/general/docs/lit/getliterature.tsp?genericPartNumber=TPD4E02B04&amp;&amp;fileType=pdf&src-supplier=Element14, CompType=IC, Diode Type=ZENER, Direction=211Direction, Height=550um, Interface=USB,HDMI, Lead Free="Lead Free", Length=2.5mm, Manufacturer Part Number=TPD4E02B04DQAR, Mfr_Name="Texas Instruments", Mounting Technology="Surface Mount", MountType=SMT, Number of Bidirectional Channels=4, Number of Channels=4, PackageReference=DQA0010A, Packaging="Cut Tape", PartNumber=TPD4E02B04DQAR, Pins=10, Reach SVHC Compliant=No, RefDes=RefDes, Reverse Standoff Voltage=3.6V, RoHS=Y, RoHS Compliant=Yes, Series=-, Supplier=Digikey, Thickness=500um, Type=TYPE, Width=1mm
U13: "5.5-V, 2-A, 80-mΩ , 10-nA leakage load switch adj. rise time and adj output discharge 6-SOT-23 -45 to 125", Case/Package=926Case, Manufacturer="Texas Instruments", Supplier Part Number=296-TPS22917LDBVRCT-ND, Category="Integrated Circuits (ICs)", Length=2.9mm, Manufacturer Part Number=TPS22917LDBVR, Mfr_Name="Texas Instruments", Pins=6NUMBER, Pricing="1=0.41, 10=0.284, 25=0.2528, 100=0.2188, 250=0.20248, 500=0.1927, 1000=0.18463 (USD)", RefDes=RefDes, RoHS=No, Stock=10229, Supplier=Digikey, Thickness=1.2mm, Type=TYPE, Width=1.6mm
U16: "RT9193 Series 300 mA 3.3 V Ultra-Low Noise Ultra-Fast CMOS LDO Regulator-SC-70-5", Case/Package=SOT-23-5, Dropout Voltage=220mV, Manufacturer=Richtek, Max Operating Temperature=125°C, Max Supply Voltage=5.5V, Mfr_Name="Richtek Technology", Min Input Voltage=2.5V, Min Operating Temperature=-40°C, Min Output Voltage=3.3V, Output Current=300mA, Power Supply Rejection Ratio (PSRR)=50dB, Quiescent Current=130uA, Supplier Part Number=1028-1014-1-ND, Category="Voltage Regulators - Linear", ComponentLink1Description=https://datasheet.ciiva.com/2046/3d3futf-83fb3frfm5mtkzlte2lnbkzg3d3d3f3d-2046896.pdf?src-supplier=Digikey, ComponentLink1URL=https://datasheet.ciiva.com/2046/3d3futf-83fb3frfm5mtkzlte2lnbkzg3d3d3f3d-2046896.pdf?src-supplier=Digikey, ComponentLink2Description=https://datasheet.ciiva.com/28652/1782157-28652989.pdf?src-supplier=Element14, ComponentLink2URL=https://datasheet.ciiva.com/28652/1782157-28652989.pdf?src-supplier=Element14, Lead Free="Lead Free", Manufacturer Part Number=RT9193-33GB, Mounting Technology="Surface Mount", Nominal Output Voltage=3.3V, Number of Regulators=1, Output Configuration=Positive, Output Type=Fixed, Packaging="Cut Tape", Pins=5, Pricing="1=0.88, 10=0.533, 25=0.4408, 100=0.3365, 250=0.28532, 500=0.25378, 1000=0.22736 (USD)", Reach SVHC Compliant=Unknown, RefDes=RefDes, RoHS=Yes, RoHS Compliant=Yes, Series=-, Stock=19103, Supplier=Digikey, Type=Type
U17: "Clock Generators & Support Products PCI express Gen 2 4 output clock gen", Case/Package=TSSOP, Clock Frequency=200MHz, Manufacturer=Diodes, Max Operating Temperature=85°C, Max Supply Voltage=3.465V, Mfr_Name=Pericom, Min Operating Temperature=-40°C, Min Supply Voltage=3.135V, Operating Supply Voltage=3.3V, Package Quantity=74, Supplier Part Number=PI6C557-05BLE-ND, Supply Current=120mA, Category="Clock and Timing", ComponentLink1Description=https://datasheet.ciiva.com/14827/pi6c557-05b-14827350.pdf?src-supplier=Arrow+Electronics, ComponentLink1URL=https://datasheet.ciiva.com/14827/pi6c557-05b-14827350.pdf?src-supplier=Arrow+Electronics, ComponentLink2Description=https://datasheet.ciiva.com/12295/pi6c557-05b-218523-12295667.pdf?src-supplier=Mouser, ComponentLink2URL=https://datasheet.ciiva.com/12295/pi6c557-05b-218523-12295667.pdf?src-supplier=Mouser, Input=Crystal, Manufacturer Part Number=PI6C557-05BLE, Mounting Technology="Surface Mount", Number of Circuits=1, Number of Elements=1, Packaging=Rail/Tube, Pins=20, PLL=Yes, Pricing="1=3.43, 10=2.188, 74=1.56716, 148=1.41622, 296=1.2898, 518=1.20288, 1036=1.1111, 2516=1.05 (USD)", RefDes=RefDes, RoHS=Yes, RoHS Compliant=Yes, Series=-, Stock=29, Supplier=Digikey, Type=Type
U25: "USB Type-C and USB PD Controller with Integrated Power Switches Optimized for Power Applications", Manufacturer="Texas Instruments", Max Supply Voltage=22V, Min Supply Voltage=3V, Operating Temperature Range="-40°C to +125°C", AEC Category=Q200, AEC Qualified=No, ComponentLink1Description="Datasheet Link", ComponentLink1URL=http://www.ti.com/lit/ds/symlink/GPN.pdf, ComponentLink2Description="Product Folder", ComponentLink2URL=http://www.ti.com/product/GPN, ComponentLink3Description="Online Datasheet", ComponentLink3URL=http://www.ti.com/product/GPN/datasheet, CompType=IC, Datasheet Path=datasheets/IC-TPS25750DRJK.pdf, helpURL=https://upverter.com/upn/revision/5be88369cac593dc/, Number of Ports=1, PackageReference=VQFN32, Part Number=TPS25750DRJK, RoHS=UNKNOWN, SizeZ_mm=0.8mm, Standoff Height=0mm, TaMax_C=+105°C, TaMin_C=-40°C, Tjmax_C=+175°C, Usb Standard="USB 3.0"
U26: "EEPROM Memory IC 256Kbit I2C 1 MHz 500 ns 8-SOIC", Manufacturer_Name=onsemi, Mouser Part Number=698-CAT24C256WI-GT3, Arrow Part Number=CAT24C256WI-GT3, Arrow Price/Stock=https://www.arrow.com/en/products/cat24c256wi-gt3/on-semiconductor?utm_currency=USD&region=nac, Datasheet Link=https://www.onsemi.com/pub/Collateral/CAT24C256-D.PDF, Height=1.75mm, Manufacturer_Part_Number=CAT24C256WI-GT3, Mouser Price/Stock=https://www.mouser.co.uk/ProductDetail/onsemi/CAT24C256WI-GT3?qs=rZgeL6XvLwaEqwp5Dppodg%3D%3D
U27: library part BQ2579x, "BQ2579x HotRod", Manufacturer="Texas Instruments", Operating Temperature Range=to, Datasheet Path=datasheets/IC-BQ25792RQM.pdf, helpURL=https://upverter.com/upn/revision/94d0648e55e6c5c0/, PackageReference=VQFN-HR29, Part Number=BQ25792RQM, RoHS=UNKNOWN, SizeZ_mm=1mm, Standoff Height=0mm
WIFI: "PCIe M.2 Connectors, Storage and Server Connector, P=0.5mm, H=3.2mm, Key E,30Î¼in Au Plating", Package=None, Availability="In Stock", Check_prices=https://www.snapeda.com/parts/MDT320E01001/Amphenol+FCI/view-part/?ref=eda, MF="Amphenol ICC", MP=MDT320E01001, Price=None, Purchase-URL=https://pricing.snapeda.com/search/part/MDT320E01001/?ref=eda, SnapEDA_Link=https://www.snapeda.com/parts/MDT320E01001/Amphenol+FCI/view-part/?ref=snap
Y1: library part ECS-250-8-37B2-RWY-TR, "Crystal 25MHz ±15ppm (Tol) ±15ppm (Stability) 8pF FUND 50Ohm 4-Pin Mini-CSMD T/R", Manufacturer="ECS International", Package=None, Supplier Part Number=50-ECS-250-8-37B2-RWY-TRCT-ND, Availability=Unavailable, Category=Crystals, ComponentLink1Description=https://datasheet.octopart.com/ECS-250-8-37B2-RWY-TR-ECS-International-datasheet-163707945.pdf?src-supplier=Electro+Sonic, ComponentLink1URL=https://datasheet.octopart.com/ECS-250-8-37B2-RWY-TR-ECS-International-datasheet-163707945.pdf?src-supplier=Electro+Sonic, Manufacturer Part Number=ECS-250-8-37B2-RWY-TR, MF="{'manufacturer': u'ECS Inc.'}", MP=ECS-250-8-37B2-RWY-TR, Price=None, Pricing="1=0.37, 10=0.321, 50=0.2914, 100=0.2794, 500=0.25326, 1000=0.24278 (USD)", RoHS=No, Stock=26122, Supplier=Digikey
Y2: library part HCM4924000000ABJT, "Crystal 24MHz ±30ppm (Tol) ±50ppm (Stability) 18pF FUND 50Ohm Automotive 2-Pin HC-49/US SMD T/R", ESR (Equivalent Series Resistance)=50R, Frequency=24MHz, Frequency Stability=50ppm, Frequency Tolerance=30ppm, Load Capacitance=18pF, Manufacturer=Citizen, Manufacturer_Name="CITIZEN FINEDEVICE", Max Operating Temperature=60°C, Min Operating Temperature=-10°C, Mouser Part Number=695-HCM4924.0ABJT, Operating Frequency="24 MHz", Supplier Part Number=300-6145-1-ND, Category=Crystals, ComponentLink1Description=https://datasheet.ciiva.com/16377/hcm49-16377455.pdf?src-supplier=Future+Electronics, ComponentLink1URL=https://datasheet.ciiva.com/16377/hcm49-16377455.pdf?src-supplier=Future+Electronics, Datasheet Link=http://cfd.citizen.co.jp/english/prod-tech/product/pdf/datasheet_AT/HCM49_E.pdf, Height=4.3mm, Lead Free="Lead Free", Manufacturer Part Number=HCM4924000000ABJT, Manufacturer_Part_Number=HCM4924000000ABJT, Mounting Technology="Surface Mount", Mouser Price/Stock=https://www.mouser.co.uk/ProductDetail/Citizen-FineDevice/HCM4924000000ABJT?qs=byeeYqUIh0Mz0GkevvEzSA%3D%3D, Packaging="Cut Tape", Pricing="1=0.54, 10=0.47, 50=0.4262, 100=0.4085, 500=0.37032 (USD)", RoHS=Yes, RoHS Compliant=Yes, Series=HCM49, Stock=24350, Supplier=Digikey

## Via types
v1: diameter 23.62, hole 11.81, HIGH_SPEED_TOP to HIGH_SPEED_BOT, 24 vias

## Nets (pads, with @x,y where several pads share a name; then routed paths per layer and width w, separated by ;. In a path a pad name is that pad's centre, name@x,y a point inside that pad or via, vN(x,y) a via of type N, cw(c..) or ccw(c..) an arc to the next point about the centre after c; other vN are vias at no path point)
5V_HDMI_TX0: C37.2 IC3.2 J6.18 U21.2 U21.9
+1V8: C45.2 C46.1 C67.2 IC4.8 IC7.5 R49.2 R75.2 R76.2
+3V3: C9.2 C17.2 C21.2 C60.2 C61.2 C62.2 C63.2 C64.2 C156.1 C157.1 C158.1 D2.2 IC17.15 IC17.23 L12.1 Q1.1 R13.2 R14.2 R15.2 R18.2 R22.2 R51.2 R52.2 R55.2 R60.2 R77.2 R87.2 R89.1 R92.2 R161.1 R167.1 U3.4 U9.4 U13.1
+3V3_NVME: C72.2 C73.2 C74.2 C75.2 C76.2 L13.1 NVME.2 NVME.4 NVME.12 NVME.14 NVME.16 NVME.18 NVME.70 NVME.72 NVME.74 R96.2
+3V3_PI6C: C28.2 C29.2 C30.2 C31.2 C32.2 R26.2 R27.2 U16.5 U17.1 U17.15
+3V3_SD_SO: C35.2 C36.2 CON4.58 J7.4 U19.5 U19.6
+3V3_WIFI: C81.2 C82.2 C83.2 C84.2 C85.2 L14.1 R101.2 WIFI.2 WIFI.4 WIFI.72 WIFI.74
+5V: C2.2 C6.2 C7.2 C8.2 C12.2 C14.2 C15.2 C16.2 C26.2 C38.2 C39.2 C40.2 C51.2 C52.2 C53.2 C54.2 C55.2 D1.2 IC1.14 IC2.14 IC3.3 IC18.5 IC18.7 IC19.7 IC20.7 L11.1 Q3.1 R82.2 U2.5 U3.12 U3.13 U8.5 U9.12 U9.13 U16.1
+12: C131.1 C132.2 C133.2 eDP1.10 eDP1.11 eDP1.12 IC14.11 IC14.12 IC14.13 IC14.26 IC14.29 R98.1 R99.1 R148.2